# Altium PCB Booster_Main_Board.PcbDoc (part 8 of 13) (continued)
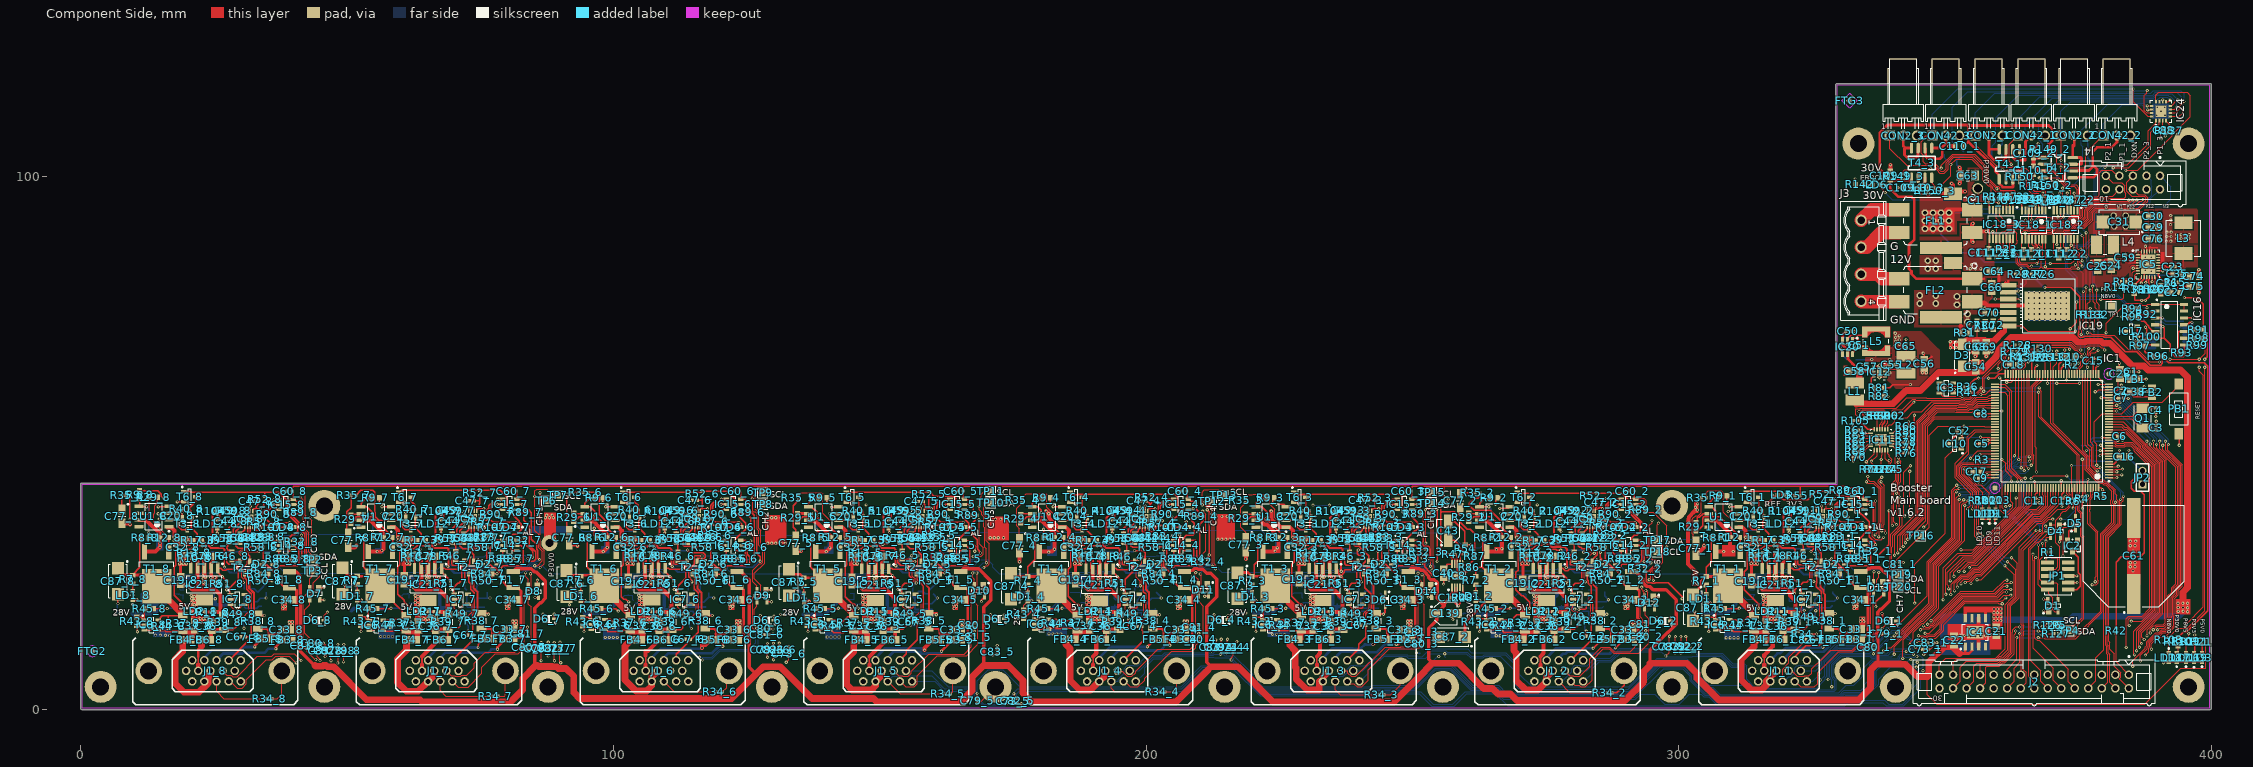
[diagram p0: Component Side view]
## Nets (pads, with @x,y where several pads share a name; then routed paths per layer and width w, separated by ;. In a path a pad name is that pad's centre, name@x,y a point inside that pad or via, vN(x,y) a via of type N, cw(c..) or ccw(c..) an arc to the next point about the centre after c; other vN are vias at no path point) (continued)
NetC48_3_2: C48_3.2 IC9_3.14 R56_3.2 | length 3.9
  Component Side w0.254: R56_3.2@239.769,31.446 239.769,31.335 240.526,32.091 240.596,32.091 240.627,32.122 240.627,32.237 240.791,32.401 240.906,32.401 C48_3.2@241.217,32.712 ; C48_3.2@241.204,32.724 241.322,32.843 241.322,33.271 241.254,33.339 241.254,34.271 IC9_3.14@241.322,34.339
NetC48_4_2: C48_4.2 IC9_4.14 R56_4.2 | length 3.9
  Component Side w0.254: R56_4.2@197.769,31.446 197.769,31.335 198.526,32.091 198.596,32.091 198.627,32.122 198.627,32.237 198.791,32.401 198.906,32.401 C48_4.2@199.217,32.712 ; C48_4.2@199.204,32.724 199.322,32.843 199.322,33.361 199.242,33.44 199.242,34.259 IC9_4.14@199.322,34.339
NetC48_5_2: C48_5.2 IC9_5.14 R56_5.2 | length 3.9
  Component Side w0.254: R56_5.2@155.769,31.446 155.769,31.335 156.526,32.091 156.596,32.091 156.627,32.122 156.627,32.237 156.791,32.401 156.906,32.401 C48_5.2@157.217,32.712 ; C48_5.2@157.204,32.724 157.322,32.843 157.322,33.298 157.307,33.313 157.307,34.324 IC9_5.14@157.322,34.339
NetC48_6_2: C48_6.2 IC9_6.14 R56_6.2 | length 3.9
  Component Side w0.254: R56_6.2@113.769,31.446 113.769,31.335 114.526,32.091 114.596,32.091 114.627,32.122 114.627,32.237 114.791,32.401 114.906,32.401 C48_6.2@115.217,32.712 ; C48_6.2@115.204,32.724 115.322,32.843 115.322,33.236 115.295,33.263 115.295,34.312 IC9_6.14@115.322,34.339
NetC48_7_2: C48_7.2 IC9_7.14 R56_7.2 | length 3.9
  Component Side w0.254: R56_7.2@71.769,31.446 71.769,31.335 72.526,32.091 72.596,32.091 72.627,32.122 72.627,32.237 72.791,32.401 72.906,32.401 C48_7.2@73.217,32.712 ; C48_7.2@73.204,32.724 73.322,32.843 IC9_7.14@73.322,34.339
NetC48_8_2: C48_8.2 IC9_8.14 R56_8.2 | length 4
  Component Side w0.254: R56_8.2@29.769,31.417 29.769,31.306 R56_8.2@29.845,31.382 ; R56_8.2@29.896,31.331 30.219,31.654 30.478,31.654 30.627,31.803 30.627,32.208 30.918,32.5 31.034,32.5 C48_8.2@31.217,32.683 ; C48_8.2@31.204,32.695 31.322,32.814 IC9_8.14@31.322,34.31
NetC50_2: C50.2 C57.2 C58.2 IC12.2 IC12.3 IC20.3 IC20.5 L1.2 | length 10.5
  Component Side w0.254: C50.2@331.272,70.937 C50.2@331.339,71.004 ; 331.739,65.758 332.561,64.936 332.634,64.936
  Component Side w0.508: IC20.3@330.749,69.429 330.77,69.45 330.77,70.394 C50.2@331.292,70.917 ; IC20.3@330.784,69.698 330.784,68.474 331.775,67.484 331.775,65.794 332.634,64.936 333.894,63.675 C58.2@333.894,63.5
NetC62_2: C62.2 IC5.14 R20.2 | length 3.3
  Component Side w0.254: IC5.14@389.358,81.207 389.438,81.127 389.438,80.077 389.358,79.997 R20.2@389.358,79.429 390.355,79.429 C62.2@390.51,79.584 ; C62.2@390.363,79.381 C62.2@390.51,79.234
NetC67_1_1: C67_1.1 J1_1.14 R84_1.1 T2_1.3 | length 24.1
  Component Side w0.254: J1_1.14@321.764,9.234 321.764,9.938 323.811,11.984 326.323,11.984 326.815,12.476 C67_1.1@326.815,13.132 ; C67_1.1@326.72,13.132 326.869,13.28 326.869,20.998 326.72,21.147 326.72,22.176 325.81,23.086 325.81,23.717 325.907,23.814 325.907,25.423 T2_1.3@325.81,25.52 325.81,25.767 326.434,26.391 327.681,26.391 R84_1.1@328.592,25.48
NetC67_2_1: C67_2.1 J1_2.14 R84_2.1 T2_2.3 | length 22
  Component Side w0.254: J1_2.14@279.764,9.234 283.558,13.028 C67_2.1@283.558,13.767 283.558,16.496 283.847,16.785 283.847,20.293 283.558,20.582 283.558,23.163 283.007,23.714 283.007,24.194 282.81,24.391 T2_2.3@282.81,25.52 282.81,25.642 283.61,26.441 284.582,26.441 285.543,25.48 R84_2.1@285.592,25.48
NetC67_3_1: C67_3.1 J1_3.14 R84_3.1 T2_3.3 | length 22.7
  Component Side w0.254: J1_3.14@237.764,9.234 239.914,11.384 239.914,12.254 241.228,13.567 241.228,17.962 242.229,18.963 242.229,21.632 241.007,22.854 241.007,25.323 T2_3.3@240.81,25.52 241.102,25.811 241.102,26.148 241.624,26.67 242.401,26.67 R84_3.1@243.592,25.48
NetC67_4_1: C67_4.1 J1_4.14 R84_4.1 T2_4.3 | length 22
  Component Side w0.254: J1_4.14@195.764,9.234 199.322,12.792 199.322,14.775 199.225,14.873 C67_4.1@199.225,15.592 199.225,16.488 199.917,17.18 199.917,21.693 199.507,22.102 199.507,23.494 199.283,23.718 199.283,25.047 T2_4.3@198.81,25.52 198.81,25.563 199.561,26.314 200.757,26.314 R84_4.1@201.592,25.48
NetC67_5_1: C67_5.1 J1_5.14 R84_5.1 T2_5.3 | length 22.3
  Component Side w0.254: J1_5.14@153.764,9.234 154.978,10.448 154.978,11.062 157.028,13.112 C67_5.1@157.028,16.469 158.044,17.484 158.044,18.778 158.178,18.912 158.178,23.223 157.042,24.36 157.042,25.289 T2_5.3@156.81,25.52 156.81,25.727 157.392,26.31 158.762,26.31 R84_5.1@159.592,25.48
NetC67_6_1: C67_6.1 J1_6.14 R84_6.1 T2_6.3 | length 22.3
  Component Side w0.254: J1_6.14@111.764,9.234 111.764,10.342 114.512,13.09 115.928,14.506 115.928,21.893 115.189,22.631 115.189,23.396 115.307,23.514 115.307,24.723 114.81,25.22 T2_6.3@114.81,25.52 114.81,25.631 115.168,25.989 115.168,26.046 115.589,26.467 116.586,26.467 117.573,25.48 R84_6.1@117.592,25.48
NetC67_7_1: C67_7.1 J1_7.14 R84_7.1 T2_7.3 | length 22.1
  Component Side w0.254: J1_7.14@69.764,9.234 73.635,13.104 73.635,13.919 73.602,13.952 73.602,17.784 73.869,18.05 73.869,21.915 73.203,22.581 73.203,23.597 72.81,23.989 T2_7.3@72.81,25.52 72.81,25.547 73.704,26.441 74.727,26.441 75.592,25.577 R84_7.1@75.592,25.48
NetC67_8_1: C67_8.1 J1_8.14 R84_8.1 T2_8.3 | length 23
  Component Side w0.254: J1_8.14@27.764,9.205 31.644,13.085 31.644,13.654 ; C67_8.1@30.93,13.691 31.608,13.691 31.644,13.654 ; R84_8.1@33.592,25.451 32.707,26.335 31.281,26.335 30.942,25.996 30.942,25.603 30.922,25.603 T2_8.3@30.81,25.491 30.79,25.47 30.79,24.761 31.145,24.406 31.145,22.579 31.989,21.735 31.989,13.999 31.644,13.654
NetC70_2: C70.2 IC19.5 | length 2.8
  Component Side w0.152: C70.2@359.053,74.449 359.158,74.554 IC19.5@361.853,74.554
NetC71_1: C71.1 C72.1 IC19.6 R30.1 R31.2 | length 9.1
  Component Side w0.152: C71.1@356.003,72.924 359.823,72.924 360.228,73.329 361.808,73.329 IC19.6@361.853,73.284
  Component Side w0.254: R31.2@354.528,70.754 355.224,71.45 355.224,71.915 355.387,72.078 355.853,72.078 356.003,72.229 C71.1@356.003,72.924
NetC77_1_1: C77_1.1 R35_1.2 | length 10.8
  Component Side w0.152: C77_1.1@303.228,31.554 302.689,32.093 302.689,32.811 302.5,33.001 302.5,35.367 302.497,35.37 302.5,35.373 302.5,35.69 302.634,35.824 302.634,35.905 303.151,36.422 303.693,36.422 304.258,36.987 R35_1.2@304.258,39.754 ; C77_1.1@303.728,31.054 C77_1.1@303.728,32.254
NetC77_2_1: C77_2.1 R35_2.2 | length 2.9
  Component Side w0.254: C77_2.1@258.958,40.499 259.12,40.661 R35_2.2@261.742,40.661
NetC77_3_1: C77_3.1 R35_3.2 | length 7.4
  Component Side w0.152: C77_3.1@218.728,32.263 218.728,33.254 217.744,34.238 217.744,37.86 R35_3.2@218.728,38.844
NetC77_4_1: C77_4.1 R35_4.2 | length 7.4
  Component Side w0.152: C77_4.1@176.228,32.054 176.228,33.981 175.725,34.484 175.725,37.177 175.728,37.181 175.728,37.819 R35_4.2@176.728,38.819
NetC77_5_1: C77_5.1 R35_5.2 | length 7.4
  Component Side w0.254: C77_5.1@134.228,32.554 134.228,33.754 133.728,34.254 133.728,38.284 R35_5.2@134.728,39.284
NetC77_6_1: C77_6.1 R35_6.2 | length 9.9
  Component Side w0.254: C77_6.1@91.728,33.554 91.228,34.054 91.228,39.754 92.228,40.754 R35_6.2@94.258,40.754
NetC77_7_1: C77_7.1 R35_7.2 | length 7.7
  Component Side w0.254: C77_7.1@50.228,33.054 49.949,33.333 49.949,37.12 50.758,37.929 R35_7.2@50.758,40.254
NetC77_8_1: C77_8.1 R35_8.2 | length 2.9
  Component Side w0.254: C77_8.1@7.728,37.554 7.728,39.724 R35_8.2@8.258,40.254
NetC85_1_1: C85_1.1 IC22_1.2 IC23_1.3 | length 8.3
  Solder Side w0.254: IC23_1.3@321.737,17.353 323.466,17.353 325.066,18.952 325.066,19.116 325.283,19.333 325.732,19.333 326.422,18.643 326.422,17.614 C85_1.1@326.422,16.244
NetC85_2_1: C85_2.1 IC22_2.2 IC23_2.3 | length 6.6
  Solder Side w0.254: IC23_2.3@279.228,17.631 280.379,17.631 280.966,18.219 281.796,18.219 282.039,18.461 283.128,18.461 283.128,16.18 C85_2.1@283.178,16.13
NetC85_3_1: C85_3.1 IC22_3.2 IC23_3.3 | length 6.9
  Solder Side w0.254: IC23_3.3@237.128,17.804 237.181,17.857 238.726,17.857 239.29,18.421 240.96,18.421 241.228,18.154 IC22_3.2@241.228,17.157 241.228,16.107 C85_3.1@240.928,15.807
NetC85_4_1: C85_4.1 IC22_4.2 IC23_4.3 | length 6.6
  Solder Side w0.254: IC23_4.3@195.328,17.619 195.354,17.645 196.919,17.645 197.41,18.136 199.126,18.136 199.225,18.037 199.225,17.059 C85_4.1@199.225,15.592
NetC85_5_1: C85_5.1 IC22_5.2 IC23_5.3 | length 6.5
  Solder Side w0.254: IC23_5.3@153.893,17.448 154.213,17.768 155.442,17.768 156.089,18.415 156.464,18.415 156.569,18.309 157.373,18.309 157.528,18.154 IC22_5.2@157.528,17.144 157.478,17.094 C85_5.1@157.478,15.794
NetC85_6_1: C85_6.1 IC22_6.2 IC23_6.3 | length 5.9
  Solder Side w0.254: IC23_6.3@111.914,17.364 111.92,17.364 112.604,18.048 112.923,18.048 113.297,18.421 114.896,18.421 115.12,18.197 IC22_6.2@115.12,17.414 115.12,16.764 114.97,16.614 C85_6.1@114.97,16.064
NetC85_7_1: C85_7.1 IC22_7.2 IC23_7.3 | length 6.2
  Solder Side w0.254: IC23_7.3@69.993,17.654 71.115,17.654 71.915,18.454 73.39,18.454 73.428,18.416 IC22_7.2@73.428,17.401 73.428,16.151 C85_7.1@73.328,16.051
NetC85_8_1: C85_8.1 IC22_8.2 IC23_8.3 | length 5.6
  Solder Side w0.254: IC23_8.3@28.007,17.892 28.462,18.347 29.866,18.347 29.906,18.387 31.028,18.387 31.533,17.882 C85_8.1@31.533,16.197
NetC86_1_1: C86_1.1 R116_1.2 T5_1.3 | length 7.9
  Solder Side w0.254: R116_1.2@326.028,22.834 326.518,22.834 C86_1.1@327.279,22.073 ; C86_1.1@327.28,22.072 C86_1.1@327.279,22.073 ; T5_1.3@330.728,25.596 330.728,24.524 329.809,23.605 328.059,23.605 327.91,23.754 327.849,23.754 327.279,23.184 C86_1.1@327.279,22.073
NetC86_2_1: C86_2.1 R116_2.2 T5_2.3 | length 6.9
  Solder Side w0.152: R116_2.2@282.968,22.5 284.119,22.5 C86_2.1@284.489,22.13 284.489,23.262 284.909,23.683 286.238,23.683 287.128,24.573 T5_2.3@287.128,25.463
NetC86_3_1: C86_3.1 R116_3.2 T5_3.3 | length 7.4
  Solder Side w0.254: R116_3.2@240.978,22.227 241.968,22.227 C86_3.1@242.328,21.867 242.328,23.347 242.586,23.605 244.451,23.605 245.063,24.217 T5_3.3@245.063,25.554
NetC86_4_1: C86_4.1 R116_4.2 T5_4.3 | length 7.1
  Solder Side w0.254: R116_4.2@198.828,22.379 199.908,22.379 C86_4.1@200.308,21.979 200.308,23.073 200.882,23.646 201.362,23.646 201.411,23.597 202.259,23.597 202.828,24.165 T5_4.3@202.828,25.463
NetC86_5_1: C86_5.1 R116_5.2 T5_5.3 | length 6.6
  Solder Side w0.254: C86_5.1@158.428,21.784 159.274,21.784 159.274,22.4 159.437,22.563 159.517,22.563 160.919,23.965 T5_5.3@160.919,25.454
  Solder Side w0.381: R116_5.2@157.228,22.184 158.028,22.184 C86_5.1@158.428,21.784
NetC86_6_1: C86_6.1 R116_6.2 T5_6.3 | length 7.3
  Solder Side w0.254: R116_6.2@114.97,22.361 115.924,22.361 C86_6.1@116.32,21.964 116.32,23.458 116.508,23.646 117.362,23.646 117.408,23.6 118.404,23.6 118.928,24.124 T5_6.3@118.928,25.463
NetC86_7_1: C86_7.1 R116_7.2 T5_7.3 | length 6.4
  Solder Side w0.254: R116_7.2@73.378,22.424 C86_7.1@74.358,22.424 ; C86_7.1@74.728,22.054 C86_7.1@74.358,22.424 ; T5_7.3@76.828,25.463 76.828,24.189 76.244,23.605 75.059,23.605 75.01,23.654 74.873,23.654 74.358,23.139 C86_7.1@74.358,22.424
NetC86_8_1: C86_8.1 R116_8.2 T5_8.3 | length 6
  Solder Side w0.254: R116_8.2@31.783,22.638 32.566,22.638 C86_8.1@33.183,22.021 35.328,24.166 T5_8.3@35.328,25.52
NetC87_1_1: C87_1.1 IC6_1.5 R7_1.2 R8_1.2 R37_1.2 R44_1.2 T1_1.3 | length 30.7
  Component Side w0.254: R7_1.2@305.162,24.981 305.148,24.995 305.148,26.737 306.077,27.666 306.077,32.15 R8_1.2@306.214,32.287 ; R37_1.2@314.023,17.653 R37_1.2@314.126,17.756
  Component Side w0.3: C87_1.1@302.702,21.588 C87_1.1@303.264,22.15 ; IC6_1.5@309.535,16.876 310.726,16.876 311.103,16.498 R44_1.2@311.103,16.478 ; R44_1.2@311.263,16.338 311.276,16.35 311.847,16.35 312.952,17.455 313.875,17.455 R37_1.2@314.126,17.706 R37_1.2@314.126,17.756
  Component Side w0.508: C87_1.1@302.702,21.588 302.702,21.638 303.239,22.175 304.13,23.066 304.13,24.052 304.428,24.349 304.481,24.349 305.112,24.981 307.467,24.981 T1_1.3@309.238,23.21
  Component Side w1.27: T1_1.3@309.238,23.21 309.238,22.944 314.116,18.066 314.116,17.766 R37_1.2@314.126,17.756
NetC87_2_1: C87_2.1 IC6_2.5 R7_2.2 R8_2.2 R37_2.2 R44_2.2 T1_2.3 | length 35.3
  Component Side w0.254: C87_2.1@259.854,13.646 C87_2.1@260.409,13.091 ; R7_2.2@261.874,25.036 261.874,26.112 262.484,26.722 263.077,26.722 ; R8_2.2@263.214,32.287 263.168,32.241 263.168,27.425 263.077,27.334 263.077,26.722 ; T1_2.3@263.938,25.861 263.077,26.722 ; IC6_2.5@266.547,16.854 267.665,16.854 268.005,16.514 268.005,16.494 268.168,16.331 R44_2.2@268.188,16.331 268.208,16.331 268.371,16.494 268.371,16.514 269.613,17.756 271.126,17.756 R37_2.2@271.126,17.706
  Component Side w0.508: C87_2.1@259.854,13.646 259.854,16.35 266.238,22.735 T1_2.3@266.238,23.21
  Component Side w1.27: T1_2.3@266.238,23.21 270.801,18.647 270.801,18.51 271.126,18.185 R37_2.2@271.126,17.756
NetC87_3_1: C87_3.1 IC6_3.5 R7_3.2 R8_3.2 R37_3.2 R44_3.2 T1_3.3 | length 29.6
  Component Side w0.254: R7_3.2@219.888,25.001 219.934,25.001 220.257,25.324 220.257,27.146 220.977,27.867 220.977,32.05 R8_3.2@221.214,32.287 ; R37_3.2@229.023,17.653 R37_3.2@229.126,17.756
  Component Side w0.3: C87_3.1@217.147,25.715 C87_3.1@217.702,26.27 ; IC6_3.5@224.547,16.854 225.665,16.854 226.028,16.491 R44_3.2@226.028,16.471 ; R44_3.2@226.188,16.331 226.274,16.417 226.738,16.417 227.348,17.027 228.178,17.027 228.782,17.631 229.051,17.631 R37_3.2@229.126,17.706 R37_3.2@229.126,17.756
  Component Side w0.508: C87_3.1@217.147,25.715 219.124,25.715 219.838,25.001 R7_3.2@219.888,25.001 222.447,25.001 T1_3.3@224.238,23.21
  Component Side w1.27: T1_3.3@224.238,23.21 224.238,22.735 229.116,17.857 229.116,17.766 R37_3.2@229.126,17.756
NetC87_4_1: C87_4.1 IC6_4.5 R7_4.2 R8_4.2 R37_4.2 R44_4.2 T1_4.3 | length 30.7
  Component Side w0.254: R7_4.2@177.773,24.96 177.773,26.775 179.077,28.08 179.077,32.15 R8_4.2@179.214,32.287 ; R37_4.2@187.023,17.653 R37_4.2@187.126,17.756
  Component Side w0.3: C87_4.1@174.656,25.604 C87_4.1@175.154,26.101 ; IC6_4.5@181.709,16.96 183.132,16.96 183.443,16.649 185.744,16.649 186.748,17.653 R37_4.2@187.023,17.653 ; R37_4.2@187.126,17.706 R37_4.2@187.126,17.756
  Component Side w0.508: C87_4.1@174.656,25.604 175.225,25.036 176.656,25.036 176.732,24.96 R7_4.2@177.773,24.96 180.488,24.96 T1_4.3@182.238,23.21
  Component Side w1.27: T1_4.3@182.238,23.21 182.238,22.735 187.116,17.857 R37_4.2@187.116,17.766
NetC87_5_1: C87_5.1 IC6_5.5 R7_5.2 R8_5.2 R37_5.2 R44_5.2 T1_5.3 | length 32
  Component Side w0.254: R8_5.2@137.214,32.287 137.077,32.15 137.077,26.722 138.871,24.928 140.238,23.561 T1_5.3@140.238,23.21 ; IC6_5.5@140.563,16.854 141.564,16.854 142.005,16.413 142.005,16.393 142.168,16.23 R44_5.2@142.188,16.23 142.804,16.23 143.994,17.42 144.841,17.42 R37_5.2@145.126,17.706
  Component Side w0.508: C87_5.1@132.918,26.305 132.918,26.255 133.789,25.384 135.077,25.384 135.708,24.752 R7_5.2@135.758,24.752 138.696,24.752 140.063,23.385 T1_5.3@140.238,23.21
  Component Side w1.27: T1_5.3@140.238,23.21 140.238,22.735 145.116,17.857 145.116,17.766 R37_5.2@145.126,17.756
NetC87_6_1: C87_6.1 IC6_6.5 R7_6.2 R8_6.2 R37_6.2 R44_6.2 T1_6.3 | length 30
  Component Side w0.254: R7_6.2@93.874,25.036 R7_6.2@93.874,25.2 ; R8_6.2@95.214,32.287 95.077,32.15 95.077,26.722 96.598,25.2 96.606,25.193 96.789,25.01 98.238,23.561 T1_6.3@98.238,23.21
  Component Side w0.3: C87_6.1@91.229,26.104 C87_6.1@91.782,26.657 ; IC6_6.5@98.422,16.927 99.45,16.927 99.888,16.489 R44_6.2@99.888,16.469 ; R44_6.2@100.048,16.329 100.111,16.391 100.622,16.391 101.263,17.032 102.2,17.032 102.376,17.208 102.376,17.281 102.801,17.706 R37_6.2@103.126,17.706
  Component Side w0.508: C87_6.1@91.229,26.104 91.229,26.071 92.1,25.2 93.874,25.2 T1_6.3@96.598,25.2
  Component Side w1.27: T1_6.3@98.238,23.21 98.238,22.735 103.116,17.857 103.116,17.766 R37_6.2@103.126,17.756
NetC87_7_1: C87_7.1 IC6_7.5 R7_7.2 R8_7.2 R37_7.2 R44_7.2 T1_7.3 | length 28.6
  Component Side w0.254: R8_7.2@53.214,32.287 53.077,32.15 53.077,26.722 T1_7.3@53.611,26.188
  Component Side w0.3: T1_7.3@53.611,26.188 T1_7.3@54.197,26.188 ; T1_7.3@56.238,23.21 58.863,20.585 58.863,19.969 60.376,18.456 60.376,18.131 60.801,17.706 R37_7.2@61.126,17.706 60.74,17.706 59.976,16.942 58.777,16.942 58.348,16.512 58.348,16.492 58.208,16.352 R44_7.2@58.188,16.352 ; IC6_7.5@56.787,16.774 57.766,16.774 58.028,16.512 R44_7.2@58.028,16.492
  Component Side w0.508: C87_7.1@49.093,26.58 49.961,25.712 49.961,25.036 R7_7.2@51.9,25.036 ; R7_7.2@51.9,25.112 R7_7.2@51.9,25.036 ; T1_7.3@56.238,23.21 54.413,25.036 R7_7.2@51.9,25.036
NetC87_8_1: C87_8.1 IC6_8.5 R7_8.2 R8_8.2 R37_8.2 R44_8.2 T1_8.3 | length 31.8
  Component Side w0.254: R7_8.2@9.728,25.229 9.728,25.254 9.728,25.344 11.077,26.693 11.077,32.121 R8_8.2@11.214,32.258 ; IC6_8.5@14.535,16.825 14.785,16.825 14.958,16.998 14.958,17.248 15.334,17.624 16.378,17.624 ; R44_8.2@16.378,16.139 16.378,17.624 ; R37_8.2@19.023,17.624 16.378,17.624 ; R37_8.2@19.126,17.624 R37_8.2@19.126,17.727 ; C87_8.1@6.952,26.548 7.406,27.002 C87_8.1@6.952,26.548
  Component Side w0.508: C87_8.1@6.952,26.548 6.952,26.498 8.197,25.254 9.728,25.254 12.166,25.254 T1_8.3@14.238,23.181
  Component Side w1.27: T1_8.3@14.238,23.181 14.238,22.706 16.378,20.566 16.508,20.566 19.013,18.061 19.013,17.737 19.023,17.727 R37_8.2@19.126,17.727
NetC90_1_1: C90_1.1 IC13_1.4 R122_1.1 R123_1.2 | length 3.8
  Solder Side w0.152: IC13_1.4@312.273,21.134 312.273,21.103 312.672,20.704 R123_1.2@314.039,20.704 314.046,20.711 314.046,21.363 314.26,21.577 R122_1.1@314.274,21.577 314.185,21.666 C90_1.1@313.461,21.666
NetC90_2_1: C90_2.1 IC13_2.4 R122_2.1 R123_2.2 | length 4.5
  Solder Side w0.152: R122_2.1@271.129,21.806 271.342,21.592 R123_2.2@271.342,20.881 ; R122_2.1@271.247,21.78 271.245,21.779 270.405,21.779 C90_2.1@270.383,21.8 270.331,21.748 IC13_2.4@269.698,21.748 ; IC13_2.4@269.357,21.407 IC13_2.4@269.698,21.748 ; IC13_2.4@269.357,21.407 IC13_2.4@269.698,21.748 ; IC13_2.4@269.357,21.407 IC13_2.4@269.698,21.748 ; IC13_2.4@269.357,21.407 IC13_2.4@269.698,21.748
NetC90_3_1: C90_3.1 IC13_3.4 R122_3.1 R123_3.2 | length 3.1
  Solder Side w0.152: IC13_3.4@227.377,21.486 227.377,21.509 227.776,21.907 R122_3.1@229.342,21.907 229.342,21.009 R123_3.2@229.372,20.978
NetC90_4_1: C90_4.1 IC13_4.4 R122_4.1 R123_4.2 | length 3
  Solder Side w0.152: IC13_4.4@185.713,21.979 186.716,21.979 C90_4.1@186.792,22.054 186.867,21.979 R122_4.1@187.525,21.979 ; R122_4.1@187.63,22.009 187.555,22.009 R122_4.1@187.525,21.979 ; R123_4.2@187.704,21.035 187.704,21.799 R122_4.1@187.525,21.979
NetC90_5_1: C90_5.1 IC13_5.4 R122_5.1 R123_5.2 | length 3.8
  Solder Side w0.152: IC13_5.4@143.385,21.266 143.385,21.138 143.784,20.739 R123_5.2@145.177,20.739 R122_5.1@145.177,21.714 145.072,21.819 C90_5.1@144.501,21.819
NetC90_6_1: C90_6.1 IC13_6.4 R122_6.1 R123_6.2 | length 3.2
  Solder Side w0.203: IC13_6.4@101.778,20.987 101.778,21.121 102.152,21.494 102.767,21.494 C90_6.1@102.794,21.521 102.821,21.494 R122_6.1@103.638,21.494 103.638,20.591 R123_6.2@103.758,20.471
NetC90_7_1: C90_7.1 IC13_7.4 R122_7.1 R123_7.2 | length 3.2
  Solder Side w0.203: IC13_7.4@59.559,21.361 60.339,21.361 60.339,21.466 C90_7.1@60.655,21.782 60.682,21.755 61.359,21.755 61.426,21.822 61.641,21.608 R123_7.2@61.641,20.881
NetC90_8_1: C90_8.1 IC13_8.4 R122_8.1 R123_8.2 | length 2.7
  Solder Side w0.203: IC13_8.4@17.678,21.717 17.689,21.706 C90_8.1@18.491,21.706 ; C90_8.1@18.377,21.592 C90_8.1@18.491,21.706 ; R123_8.2@19.261,20.743 19.261,21.509 R122_8.1@19.304,21.552 18.645,21.552 C90_8.1@18.491,21.706
NetD2_1_1: D2_1.1 D2_2.1 D2_3.1 D2_4.1 D2_5.1 D2_6.1 D2_7.1 D2_8.1 D15.2 IC1.89 IC16.1 IC16.2 IC16.13 IC16.14 R92.2 TP16.1 | length 439.3
  Component Side w0.152: v1(32.563,27.33) 32.659,27.234 D2_8.1@33.476,27.234 ; v1(74.549,27.483) 75.311,27.483 D2_7.1@75.362,27.432 ; D2_7.1@75.438,27.301 D2_7.1@75.476,27.263 ; v1(116.637,27.203) 117.417,27.203 D2_6.1@117.476,27.263 ; v1(158.648,27.356) 159.383,27.356 D2_5.1@159.476,27.263 ; v1(200.558,27.305) 201.434,27.305 D2_4.1@201.476,27.263 ; v1(242.595,27.356) 243.383,27.356 D2_3.1@243.476,27.263 ; v1(284.573,27.644) 284.785,27.432 D2_2.1@285.318,27.432 ; v1(327.584,27.534) 327.854,27.263 D2_1.1@328.476,27.263 ; v1(340.589,27.584) 340.589,27.788 TP16.1@345.428,32.627 347.066,34.265 347.066,51.511 348.725,53.17 v1(353.558,53.17) 357.308,53.17 357.43,53.049 IC1.89@359.353,53.049 ; v1(364.922,68.245) 364.922,68.366 365.223,68.667 365.223,68.824 365.393,68.995 373.653,68.995 374.57,68.077 376.553,68.077 376.759,68.282 378.935,68.282 379.306,67.911 379.571,67.911 379.871,67.612 379.871,67.396 v1(379.978,67.504) ; v1(380.228,70.754) 380.228,72.504 383.978,76.254 386.728,76.254 387.057,75.925 387.903,75.925 ; IC16.2@389.452,74.794 389.383,74.724 R92.2@387.903,74.724 387.903,75.925 ; IC16.13@394.852,74.794 IC16.14@394.852,76.064 IC16.1@389.452,76.064 388.042,76.064 387.903,75.925
  Signal Layer 1 w0.152: v1(353.558,53.17) 354.786,53.17 354.907,53.049 365.167,63.308 365.167,64.962 364.922,65.207 v1(364.922,68.245)
  Solder Side w0.152: v1(32.563,27.33) 32.995,26.899 34.691,26.899 34.793,26.797 36.387,26.797 36.56,26.97 36.998,26.97 38.34,25.629 54.924,25.629 55.029,25.734 63.52,25.734 63.927,26.141 66.807,26.141 67.669,27.004 68.293,27.004 68.691,27.402 69.129,27.402 69.527,27.004 70.691,27.004 70.762,27.075 71.2,27.075 71.272,27.004 74.07,27.004 v1(74.549,27.483) 75.028,27.004 79.228,27.004 80.478,25.754 82.842,25.754 83.271,26.183 83.587,26.183 84.608,27.203 84.673,27.203 84.998,27.529 85.436,27.529 85.746,27.219 85.746,27.157 85.973,27.157 86.014,27.199 86.452,27.199 88.174,25.476 104.885,25.476 105.726,26.318 109.401,26.318 110.287,27.203 110.631,27.203 110.83,27.402 111.268,27.402 111.666,27.004 112.691,27.004 112.762,27.075 113.2,27.075 113.272,27.004 116.437,27.004 v1(116.637,27.203) 116.913,26.928 118.691,26.928 118.914,26.705 120.424,26.705 120.602,26.883 121.147,26.883 121.457,26.573 121.457,26.276 122.277,25.456 147.38,25.456 148.05,26.126 151.388,26.126 152.791,27.529 153.229,27.529 153.753,27.004 154.691,27.004 154.762,27.075 155.2,27.075 155.272,27.004 158.297,27.004 v1(158.648,27.356) 159.077,26.928 162.4,26.928 162.671,27.199 163.109,27.199 163.287,27.021 167.745,27.021 168.807,28.083 170.247,28.083 171.167,27.162 171.167,26.724 172.387,25.504 181.988,25.504 182.238,25.754 190.219,25.754 190.476,26.012 191.305,26.012 191.312,26.005 193.38,26.005 194.802,27.427 195.24,27.427 195.362,27.305 v1(200.558,27.305) 200.936,26.928 202.691,26.928 202.793,26.826 204.387,26.826 204.56,26.999 204.998,26.999 205.308,26.689 205.308,26.674 205.621,26.361 209.546,26.361 209.911,26.725 210.547,26.725 211.05,27.229 212.003,27.229 212.227,27.453 212.665,27.453 212.974,27.143 212.974,27.008 213.038,26.945 213.249,26.945 213.558,26.635 213.558,26.424 214.228,25.754 231.588,25.754 231.956,26.122 236.048,26.122 236.52,26.594 238.281,26.594 238.762,27.075 239.2,27.075 239.272,27.004 242.244,27.004 v1(242.595,27.356) 243.024,26.928 244.691,26.928 244.793,26.826 246.387,26.826 246.56,26.999 246.998,26.999 247.993,26.004 250.656,26.004 250.835,26.183 251.304,26.183 251.54,26.419 252.115,26.419 253.179,27.483 253.591,27.483 254.188,26.886 254.188,26.295 254.528,25.954 257.608,25.954 257.686,26.033 258.124,26.033 258.203,25.954 258.79,25.954 258.868,26.033 274.188,26.033 274.47,26.314 277.139,26.314 277.936,27.111 278.579,27.111 278.667,27.199 279.784,27.199 279.978,27.004 280.637,27.004 280.756,27.122 281.194,27.122 281.312,27.004 282.553,27.004 282.803,27.254 284.184,27.254 v1(284.573,27.644) 285.289,26.928 286.691,26.928 286.793,26.826 288.387,26.826 288.56,26.999 288.998,26.999 290.493,25.504 316.412,25.504 316.994,26.086 319.964,26.086 320.632,26.754 321.027,26.754 321.777,27.503 322.215,27.503 322.524,27.194 322.524,27.039 322.809,26.754 323.38,26.754 323.38,26.806 323.75,27.176 324.308,27.176 324.602,26.882 325.847,26.882 325.893,26.928 326.978,26.928 v1(327.584,27.534) 328.19,26.928 329.691,26.928 329.793,26.826 331.387,26.826 331.56,26.999 331.998,26.999 332.743,26.254 336.275,26.254 336.433,26.411 336.871,26.411 337.028,26.254 337.291,26.254 337.322,26.284 337.76,26.284 337.79,26.254 338.79,26.254 339.531,26.995 339.887,26.995 340.284,27.392 340.284,27.534 ; v1(379.978,67.504) 379.978,68.504 380.228,68.754 v1(380.228,70.754) ; D15.2@387.299,75.392 387.345,75.438 v1(387.909,75.438)
NetD2_1_2: D2_1.2 IC14_1.3 R88_1.1 | length 3.4
  Component Side w0.254: D2_1.2@331.076,27.263 331.657,27.263 332.176,27.782 IC14_1.3@332.176,29.864
NetD2_2_2: D2_2.2 IC14_2.3 R88_2.1 | length 3.4
  Component Side w0.254: D2_2.2@288.076,27.263 288.657,27.263 289.176,27.782 289.176,28.471 289.188,28.483 289.188,28.963 289.188,28.987 289.176,28.998 IC14_2.3@289.176,29.864
NetD2_3_2: D2_3.2 IC14_3.3 R88_3.1 | length 3.4
  Component Side w0.254: D2_3.2@246.076,27.263 246.657,27.263 247.176,27.782 IC14_3.3@247.176,29.864
NetD2_4_2: D2_4.2 IC14_4.3 R88_4.1 | length 3.4
  Component Side w0.254: D2_4.2@204.076,27.263 204.657,27.263 205.176,27.782 IC14_4.3@205.176,29.864
NetD2_5_2: D2_5.2 IC14_5.3 R88_5.1 | length 3.4
  Component Side w0.254: D2_5.2@162.076,27.263 162.657,27.263 163.188,27.793 163.188,28.745 163.176,28.756 IC14_5.3@163.176,29.864
NetD2_6_2: D2_6.2 IC14_6.3 R88_6.1 | length 3.4
  Component Side w0.254: D2_6.2@120.076,27.263 120.657,27.263 121.176,27.782 IC14_6.3@121.176,29.864
NetD2_7_2: D2_7.2 IC14_7.3 R88_7.1 | length 3.4
  Component Side w0.254: D2_7.2@78.076,27.263 78.657,27.263 79.176,27.782 IC14_7.3@79.176,29.864
NetD2_8_2: D2_8.2 IC14_8.3 R88_8.1 | length 3.4
  Component Side w0.254: D2_8.2@36.076,27.234 36.657,27.234 37.176,27.753 IC14_8.3@37.176,29.835
NetD5_1: D5.1 IC2.2 | length 3.1
  Component Side w0.254: IC2.2@373.05,31.801 373.228,31.979 373.228,33.504 373.428,33.704 D5.1@374.478,33.704
NetD6_1_2: D6_1.2 IC22_1.1 R38_1.1 R104_1.1 R115_1.1 | length 39.5
  Component Side w0.381: R104_1.1@320.184,37.265 319.659,36.74 319.659,32.593 319.348,32.282 319.348,32.252 318.916,31.82 318.916,30.779 319.393,30.302 320.37,30.302 ; 320.371,30.303 321.574,30.303 321.798,30.08 321.798,28.223 321.9,28.121 321.9,26.934 v1@321.928,26.907 ; v1(326.628,25.354) 326.628,22.952 326.619,22.943 327.19,22.371 327.19,21.863 327.431,21.621 R38_1.1@327.431,17.958 ; v1(338.15,18.034) 338.247,17.937 D6_1.2@338.247,16.637
  Signal Layer 1 w0.381: v1(329.387,18.034) v1(338.15,18.034)
  Solder Side w0.254: IC22_1.1@327.422,17.614 327.422,17.974 328.022,18.574 R115_1.1@328.872,18.574 328.872,18.549 v1(329.387,18.034)
  Solder Side w0.381: v1(321.928,26.854) 323.428,25.354 v1(326.628,25.354)